# Altium PCB pcb.PcbDoc
Units mm, origin at the board's own origin, x right, y up, seen from the top; angles counter-clockwise.
Board outline 97.12 x 80.88 mm, 2 copper layers (Top Layer, Bottom Layer), stack 1.671 mm thick; 24 components, 190 nets, 454 pads, 83 vias.
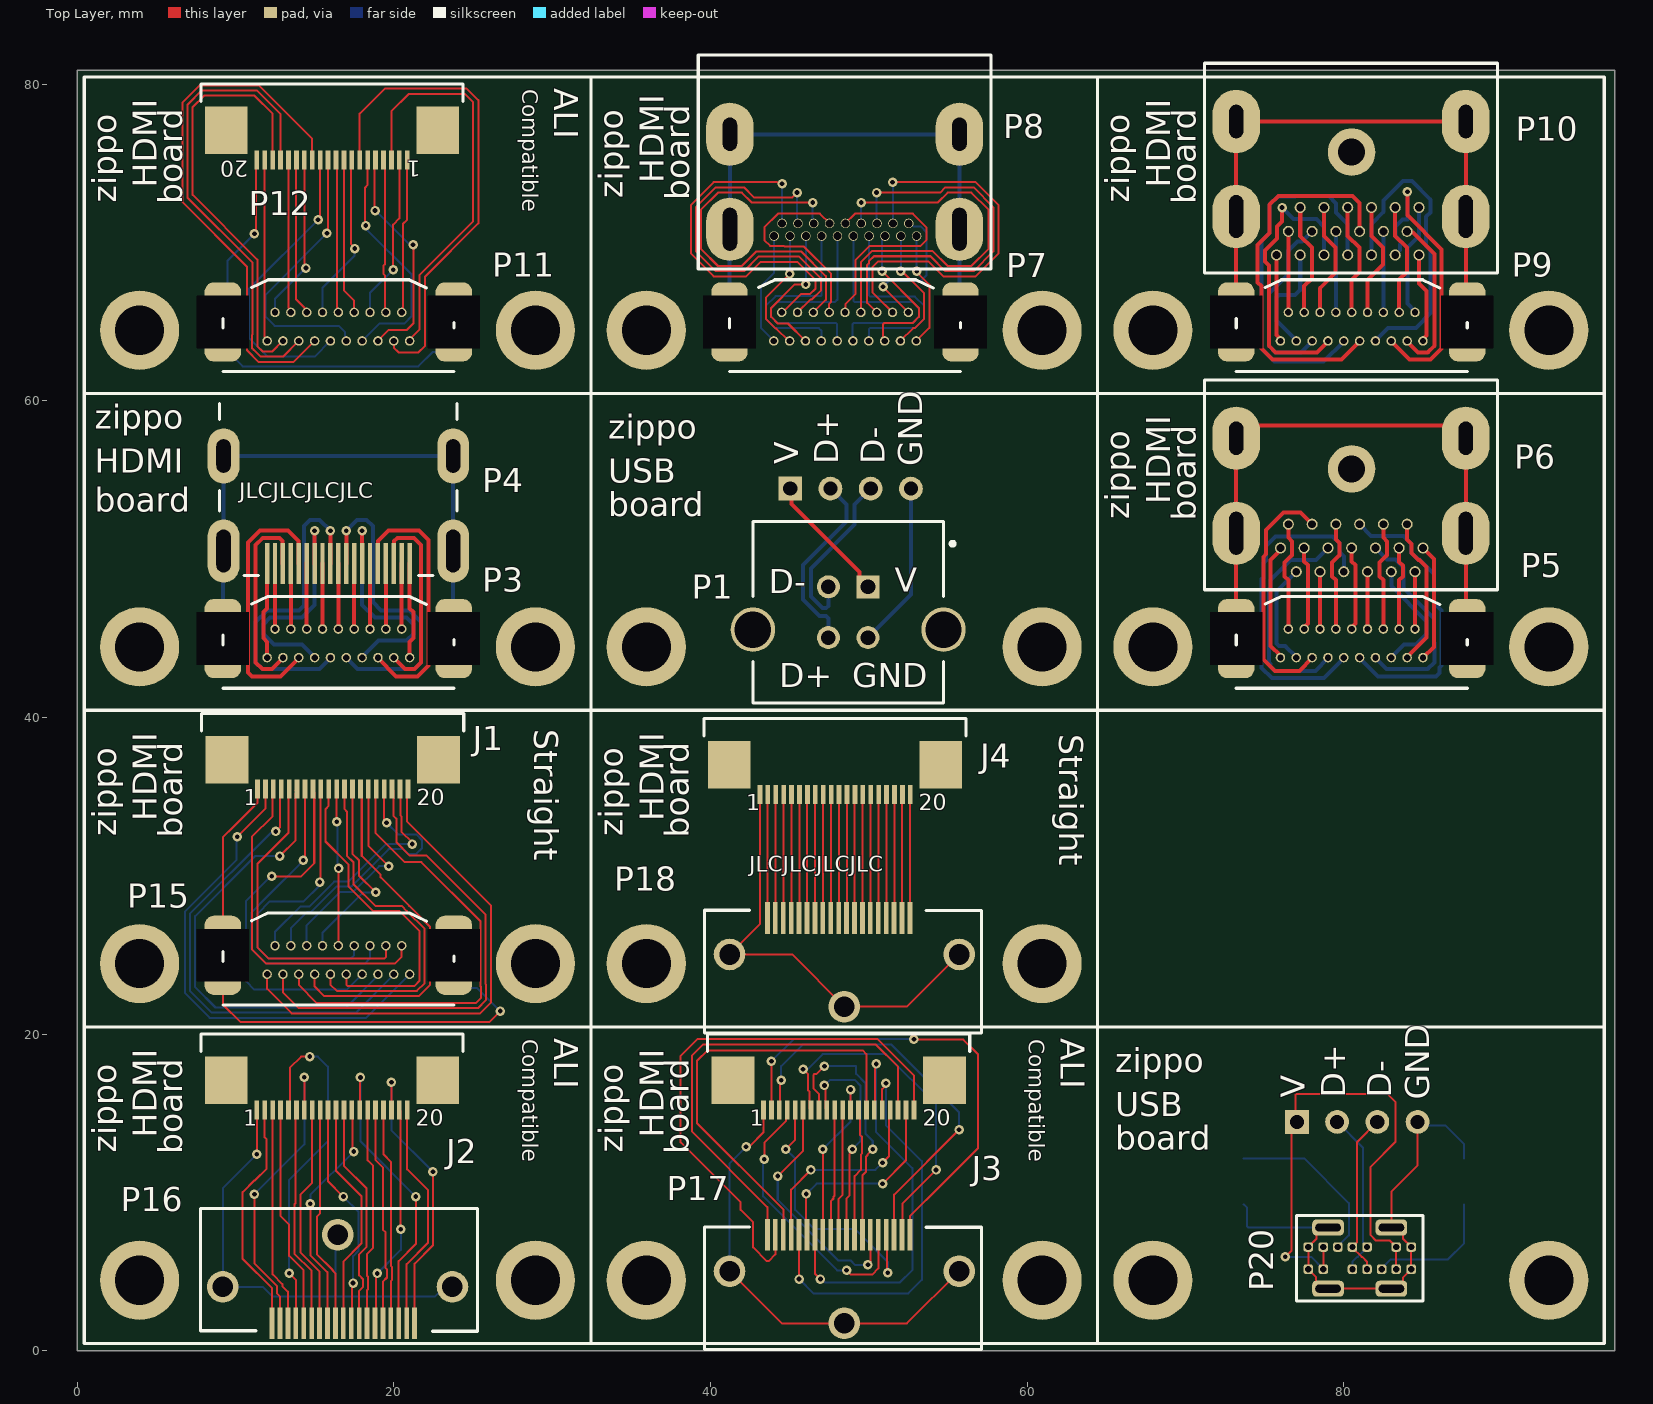
[diagram p0: Top Layer view]
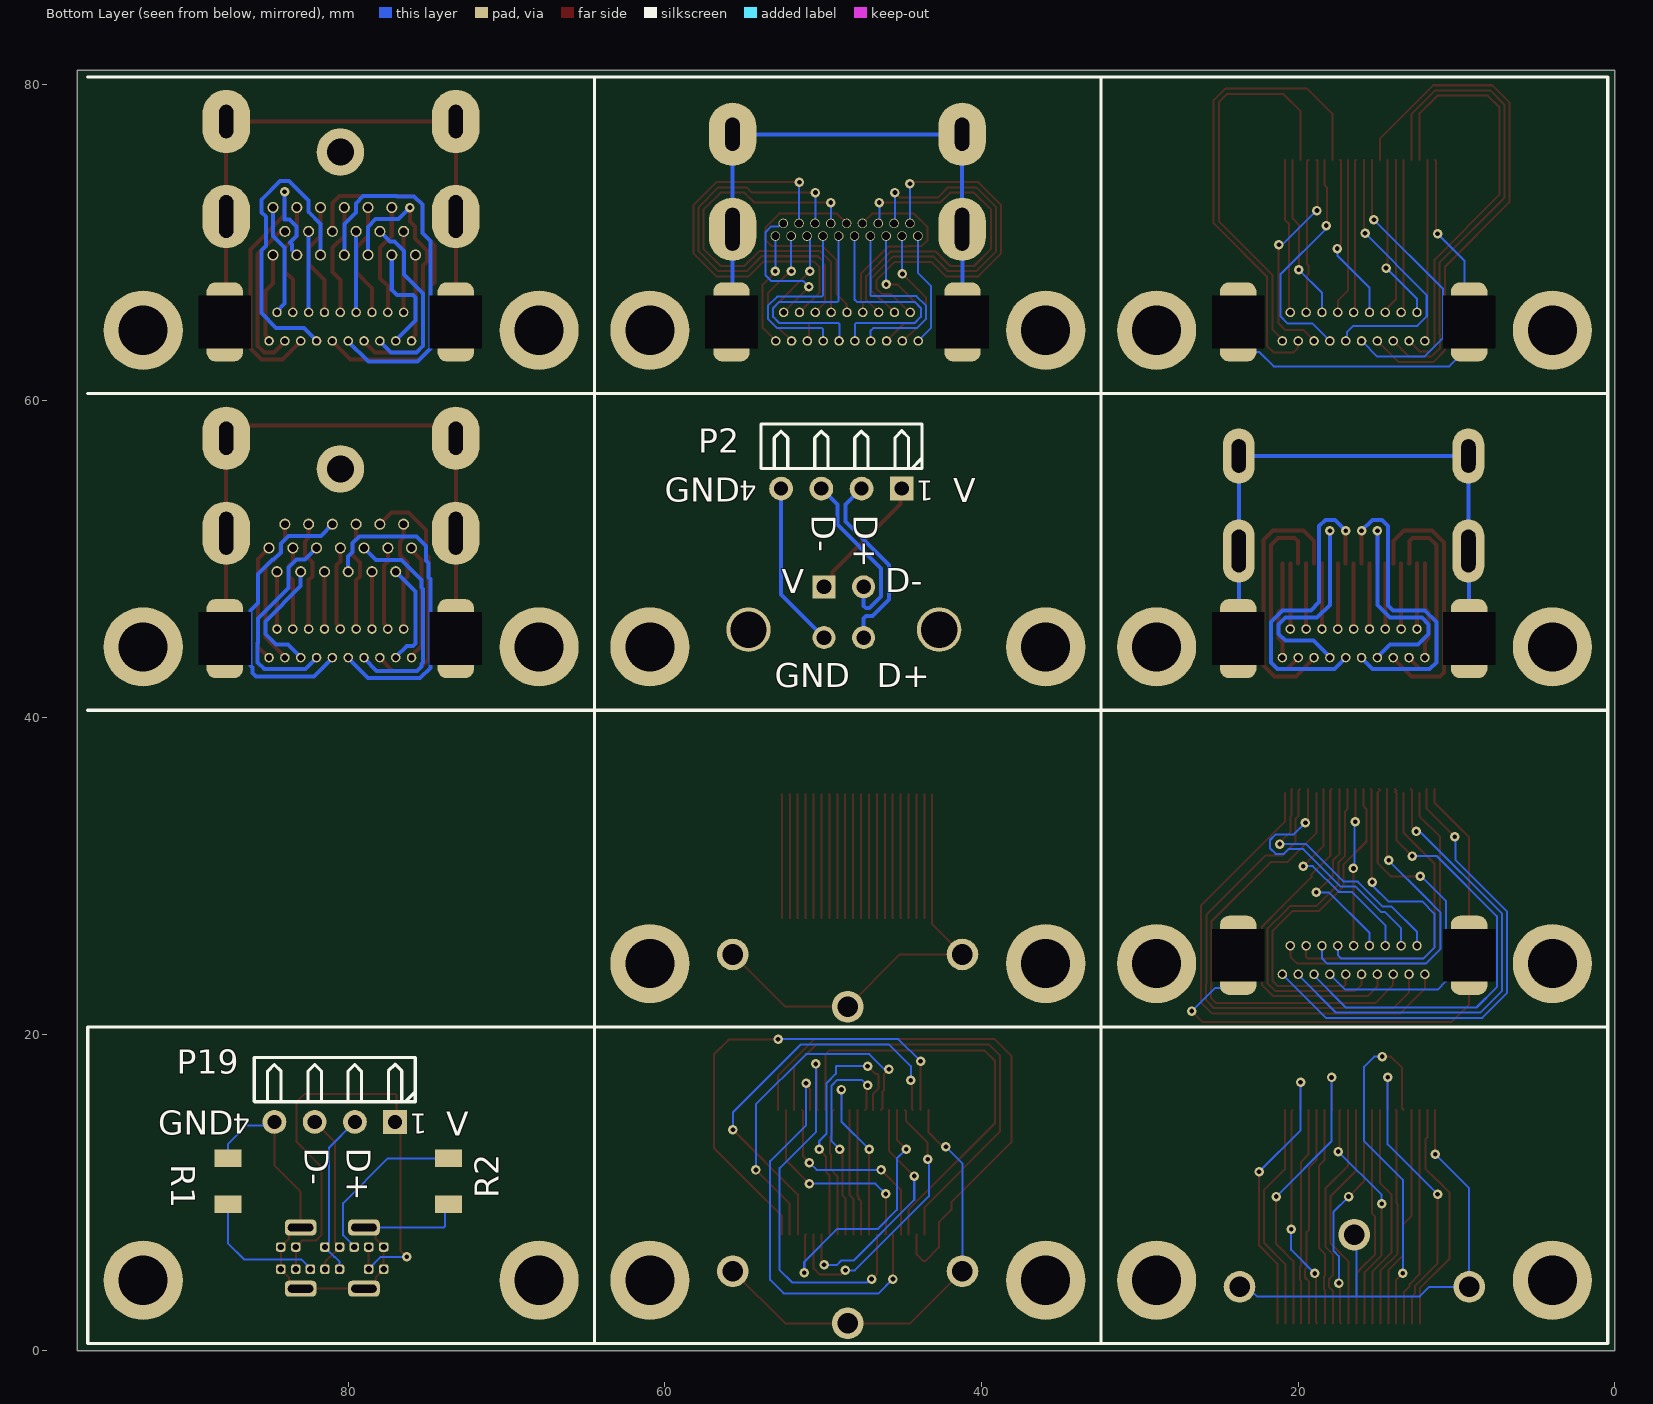
[diagram p1: Bottom Layer view, seen from below]

## Layer stack, top to bottom
Top Solder: solder mask 0.0102, Solder Resist, Dk 3.5
Top Layer: signal copper 0.0356
Dielectric 1: dielectric 1.6, FR-4, Dk 4.8
Bottom Layer: signal copper 0.0356
Bottom Solder: solder mask 0.0102, Solder Resist, Dk 3.5

## Board outline
0,0 0,80.875 97.124,80.875 97.124,0.05 97.124,0

## Design rules (kind name [scope] priority, off if disabled: settings)
Clearance [All] p1: gap=0.254 ignorepadtopadclearanceinfootprint=FALSE except(0: Arc-Hole Track-Hole SMDPad-Hole THPad-Hole Via-Hole Fill-Hole Poly-Hole Region-Hole Text-Hole; 0.2: Arc-Arc Arc-Track Arc-SMDPad Track-Track Track-SMDPad SMDPad-SMDPad)
DiffPairsRouting [All] p1: maxlimit=0.254 minlimit=0.127 mostfreqgap=0.254 toplayer_minwidth=0.254 toplayer_maxwidth=0.381 toplayer_prefwidth=0.381 bottomlayer_minwidth=0.254 bottomlayer_maxwidth=0.381 bottomlayer_prefwidth=0.381 maxuncoupledlength=12.7
HoleSize [All] p1: absolutevalues=TRUE maxlimit=4 minlimit=0.025 maxpercent=80.000 minpercent=20.000
MinimumSolderMaskSliver [All] p1: minsoldermaskwidth=0.2
PolygonConnect [All] p1: connectstyle=Relief reliefconductorwidth=0.254 reliefentries=4 polygonreliefangle="90 Angle" airgapwidth=0.254
RoomDefinition scheme [InComponentClass('scheme')] p1: confinementstyle=ConfineIn formatcopy=TRUE lockcomponents=FALSE outline -198.3,-191.725 594.053,-191.725 594.053,454.578 -198.3,454.578
RoutingVias [All] p1: holewidth=0.3 width=0.6 viastyle="Through Hole" minholewidth=0.3 minwidth=0.6 maxholewidth=0.3 maxwidth=0.6
SolderMaskExpansion [All] p1: expansion=0.102 istentingtop=FALSE
Width [All] p1: maxlimit=0.254 minlimit=0.127 preferedwidth=0.254
27 further rules are at their usual default settings.

## Classes and differential pairs
differential pair D: +D_P -D_N

## Components (designator, comment, footprint, x,y, rotation, side; value= is the part's Value field where it differs from the comment)
J1 "68712014522" FFC_20pin_0.5mm 16.141,38.025 r0 top
J2 "68712014522" FFC_20pin_0.5mm 16.1,17.775 r0 top
J3 "68712014522" FFC_20pin_0.5mm 48.1,17.775 r0 top locked
J4 "68712014522" FFC_20pin_0.5mm 47.874,37.7 r0 top
P1 "USB-B_Vertical" USB-B_Vertical 48.701,46.643 r0 top
P2 "PLD 1X4H" "PLD 1X4H" 48.85,54.45 r0 bottom
P3 "HDMI_Vertical" "HDMI VERTICAL" 12,43.775 r180 top
P4 "HDMI_Horizontal" "HDMI HORIZONTAL" 16.5,55.036 r0 top
P5 "HDMI_Vertical" "HDMI VERTICAL" 76.001,43.775 r180 top
P6 "HDMI_Horizontal_3_Lines_TH" "HDMI HORIZONTAL 3 LINES TH" 76.001,50.7 r180 top
P7 "HDMI_Vertical" "HDMI VERTICAL" 44,63.775 r180 top locked
P8 "HDMI_Horizontal_2_Lines_TH" "HDMI HORIZONTAL 2 LINES TH" 44.024,70.397 r180 top locked
P9 "HDMI_Vertical" "HDMI VERTICAL" 76.001,63.775 r180 top
P10 "HDMI_Horizontal_3_Lines_TH_ALI" "HDMI HORIZONTAL 3 LINES TH ALI" 76.001,70.7 r180 top
P11 "HDMI_Vertical" "HDMI VERTICAL" 12,63.775 r180 top
P12 "68712014522" 68712014522 16.1,77.775 r180 top
P15 "HDMI_Vertical" "HDMI Vertical" 12,23.775 r180 top
P16 "HDMI_Vertical_SMT_MOLEX" "HDMI VERTICAL SMT" 16.456,4.529 r180 top
P17 "HDMI_Vertical_SMT_MOLEX" "HDMI VERTICAL SMT" 48.457,4.529 r0 top locked
P18 "HDMI_Vertical_SMT_MOLEX" "HDMI VERTICAL SMT" 48.457,24.529 r0 top locked
P19 "PLD 1X4H" "PLD 1X4H" 80.85,14.45 r0 bottom
P20 "USB-C-Vertical" USB-C 81.009,5.85 r180 top
R1 "5K" 1206 87.599,10.7 r270 bottom
R2 "5K" 1206 73.674,10.7 r90 bottom

## Footprints (in the part's own frame and the unit in brackets; to place one, negate y for a bottom-side part, rotate by r counter-clockwise, add the part's x,y. Pads: shape width x height; smd on the part's side, far side on the other; paste and mask are expansions set on the pad)
1206 [mm]
  rect 1.1x1.7 smd: 1(-1.45,0) 2(1.45,0)
  body extent -1.65,-0.85 1.65,0.85, height 0.6
68712014522 [mm] "ZIF Connectors, Horizontal, Bottom Contact, pitch 0.5mm, 20p"
  rect 0.3x1.2 smd: 1(-4.75,2.56) 2(-4.25,2.56) 3(-3.75,2.56) 4(-3.25,2.56) 5(-2.75,2.56) 6(-2.25,2.56) 7(-1.75,2.56) 8(-1.25,2.56) 9(-0.75,2.56) 10(-0.25,2.56) 11(0.25,2.56) 12(0.75,2.56) 13(1.25,2.56) 14(1.75,2.56) 15(2.25,2.56) 16(2.75,2.56) 17(3.25,2.56) 18(3.75,2.56) 19(4.25,2.56) 20(4.75,2.56)
  rect 2.7x3 smd: MP1(-6.68,0.7) MP2(6.68,0.7)
  silkscreen extent -8.27,-2.22 8.28,-1.12, body extent -8.2,-2.15 8.2,2.95, height 2.1
FFC_20pin_0.5mm [mm] "ZIF Connectors, Horizontal, Bottom Contact, pitch 0.5mm, 20p"
  rect 0.3x1.2 smd: 1(-4.75,-2.56) 2(-4.25,-2.56) 3(-3.75,-2.56) 4(-3.25,-2.56) 5(-2.75,-2.56) 6(-2.25,-2.56) 7(-1.75,-2.56) 8(-1.25,-2.56) 9(-0.75,-2.56) 10(-0.25,-2.56) 11(0.25,-2.56) 12(0.75,-2.56) 13(1.25,-2.56) 14(1.75,-2.56) 15(2.25,-2.56) 16(2.75,-2.56) 17(3.25,-2.56) 18(3.75,-2.56) 19(4.25,-2.56) 20(4.75,-2.56)
  rect 2.7x3 smd: MP1(6.68,-0.7) MP2(-6.68,-0.7)
  silkscreen extent -8.28,1.12 8.27,2.22, body extent -8.2,-2.95 8.2,2.15, height 2.1
"HDMI HORIZONTAL" [mm] "HDMI SMT Horizontal"
  rect 0.28x2.6 smd: 1(-4.5,-5.325) 2(-4,-5.325) 3(-3.5,-5.325) 4(-3,-5.325) 5(-2.5,-5.325) 6(-2,-5.325) 7(-1.5,-5.325) 8(-1,-5.325) 9(-0.5,-5.325) 10(0,-5.325) 11(0.5,-5.325) 12(1,-5.325) 13(1.5,-5.325) 14(2,-5.325) 15(2.5,-5.325) 16(3,-5.325) 17(3.5,-5.325) 18(4,-5.325) 19(4.5,-5.325)
  oval 2x4 hole 0.9 slot 2.7 at 90 deg: Shell(-7.25,-4.525) Shell(7.25,-4.525)
  oval 2x3.5 hole 0.9 slot 2.1 at 90 deg: Shell(-7.25,1.475) Shell(7.25,1.475)
  silkscreen extent -7.5,-6.07 7.5,4.78, body extent -7.45,-6.08 7.55,6.07, height 6.17
"HDMI HORIZONTAL 2 LINES TH" [mm]
  round 0.6 hole 0.5: 1(0,0) 2(-0.5,-0.803) 3(-1,0) 4(-1.5,-0.803) 5(-2,0) 6(-2.5,-0.803) 7(-3,0) 8(-3.5,-0.803) 9(-4,0) 10(-4.5,-0.803) 11(-5,0) 12(-5.5,-0.803) 13(-6,0) 14(-6.5,-0.803) 15(-7,0) 16(-7.5,-0.803) 17(-8,0) 18(-8.5,-0.803) 19(-9,0)
  oval 3x4 hole 0.9 slot 2.7 at 90 deg: Shell(-11.706,-0.432) Shell(2.794,-0.432)
  oval 3x4 hole 0.9 slot 2.1 at 90 deg: Shell(-11.706,-6.432) Shell(2.794,-6.432)
  silkscreen extent -13.71,-11.43 4.79,2.07, body extent -12.01,-11 2.99,1.05, height 6.18
"HDMI HORIZONTAL 3 LINES TH" [mm]
  round 0.7 hole 0.5: 1(0,0) 2(-0.5,-1.5) 3(-1,1.5) 4(-1.5,0) 5(-2,-1.5) 6(-2.5,1.5) 7(-3,0) 8(-3.5,-1.5) 9(-4,1.5) 10(-4.5,0) 11(-5,-1.5) 12(-5.5,1.5) 13(-6,0) 14(-6.5,-1.5) 15(-7,1.5) 16(-7.5,0) 17(-8,-1.5) 18(-8.5,1.5) 19(-9,0)
  oval 3x4 hole 0.9 slot 2.7 at 90 deg: Shell(-11.706,-0.932) Shell(2.794,-0.932)
  oval 3x4 hole 0.9 slot 2.1 at 90 deg: Shell(-11.706,-6.932) Shell(2.794,-6.932)
  round 3 hole 1.7: ""(-4.5,-5)
  silkscreen extent -13.71,-10.62 4.79,2.64, body extent -11.97,-10.41 3.03,2.49, height 5.77
"HDMI HORIZONTAL 3 LINES TH ALI" [mm]
  round 0.7 hole 0.5: 1(0.25,1.5) 2(-0.5,0) 3(-1.25,1.5) 4(-1.25,-1.5) 5(-2,0) 6(-2.75,-1.5) 7(-2.75,1.5) 8(-3.5,0) 9(-4.25,1.5) 10(-4.25,-1.5) 11(-5,0) 12(-5.75,-1.5) 13(-5.75,1.5) 14(-6.5,0) 15(-7.25,1.5) 16(-7.25,-1.5) 17(-8,0) 18(-8.75,-1.5) 19(-8.75,1.5)
  oval 3x4 hole 0.9 slot 2.7 at 90 deg: Shell(-11.706,-0.932) Shell(2.794,-0.932)
  oval 3x4 hole 0.9 slot 2.1 at 90 deg: Shell(-11.706,-6.932) Shell(2.794,-6.932)
  round 3 hole 1.7: ""(-4.5,-5)
  silkscreen extent -13.71,-10.62 4.79,2.64, body extent -11.97,-10.41 3.03,2.49, height 5.77
"HDMI VERTICAL" [mm]
  round 0.6 hole 0.4: 1(0,0) 2(-0.5,-1.803) 3(-1,0) 4(-1.5,-1.803) 5(-2,0) 6(-2.5,-1.803) 7(-3,0) 8(-3.5,-1.803) 9(-4,0) 10(-4.5,-1.803) 11(-5,0) 12(-5.5,-1.803) 13(-6,0) 14(-6.5,-1.803) 15(-7,0) 16(-7.5,-1.803) 17(-8,0) 18(-8.5,-1.803) 19(-9,0)
  rrect50% 2.3x5 hole 3.3 square: Shell(-11.794,-1.2) Shell(2.794,-1.2)
  silkscreen extent -11.79,-3.86 2.79,1.94, body extent -12.01,-3.73 2.99,1.82, height 12
"HDMI Vertical" [mm]
  round 0.6 hole 0.4: 1(0,0) 2(-0.5,-1.803) 3(-1,0) 4(-1.5,-1.803) 5(-2,0) 6(-2.5,-1.803) 7(-3,0) 8(-3.5,-1.803) 9(-4,0) 10(-4.5,-1.803) 11(-5,0) 12(-5.5,-1.803) 13(-6,0) 14(-6.5,-1.803) 15(-7,0) 16(-7.5,-1.803) 17(-8,0) 18(-8.5,-1.803) 19(-9,0)
  rrect50% 2.3x5 hole 3.3 square: Shell(-11.794,-1.2) Shell(2.794,-1.2)
  silkscreen extent -11.79,-3.86 2.79,1.94, body extent -12.01,-3.73 2.99,1.82, height 12
"HDMI VERTICAL SMT" [mm] "HDMI SMT Vertical"
  rect 0.3x2 smd: 1(4.144,2.802) 2(3.644,2.802) 3(3.144,2.802) 4(2.644,2.802) 5(2.144,2.802) 6(1.644,2.802) 7(1.144,2.802) 8(0.644,2.802) 9(0.144,2.802) 10(-0.356,2.802) 11(-0.856,2.802) 12(-1.356,2.802) 13(-1.856,2.802) 14(-2.356,2.802) 15(-2.856,2.802) 16(-3.356,2.802) 17(-3.856,2.802) 18(-4.356,2.802) 19(-4.856,2.802)
  round 2 hole 1.3: Shell(-7.25,0.498) Shell(0,-2.802) Shell(7.25,0.498)
  silkscreen extent -8.84,-4.45 8.66,3.29, body extent -8.83,-3.56 8.67,3.29, height 9.5
"PLD 1X4H" [mm] "Connector; Header; 4x2 Position; Right Angle"
  rect 1.5x1.5 hole 0.9: 1(-3.81,0)
  round 1.5 hole 0.9: 2(-1.27,0) 3(1.27,0) 4(3.81,0)
  silkscreen extent -5.09,-4.08 5.09,-1.27, body extent -5.08,-10.04 5.08,0.32, height 2.54
USB-B_Vertical [mm] "THD, 4-Leads, Body 12.03x11.46mm, Pitch 2.5mm"
  rect 1.45x1.45 hole 0.92: 1(1.25,1.605)
  round 1.45 hole 0.92: 2(-1.25,1.605) 3(-1.25,-1.605) 4(1.25,-1.605)
  round 2.8 hole 2.3: 5(6.02,-1.1) 6(-6.02,-1.1)
  silkscreen extent -6.01,-5.73 6.73,5.73, body extent -7.57,-5.73 7.57,5.73, height 15.62
USB-C [mm] "KLS1-5459"
  rrect50% 0.6x0.6 hole 0.4: A1(-3.25,0.7) A4(-2.3,0.7) A5(-1.38,0.7) A6(-0.46,0.7) A7(0.46,0.7) A9(2.3,0.7) A12(3.25,0.7) B1(3.25,-0.7) B4(2.3,-0.7) B5(1.38,-0.7) B6(0.46,-0.7) B7(-0.46,-0.7) B9(-2.3,-0.7) B12(-3.25,-0.7)
  rrect50% 2x1 hole 0.5 slot 1.6 at 0 deg: Shield(-2,1.93) Shield(-2,-1.93) Shield(2,1.93) Shield(2,-1.93)
  silkscreen extent -4,-2.7 4,2.7

## Part data
J1 J2 J3 J4: library part "FFC 20 pin", "SMT ZIF Connectors WR-FPC, Horizontal, Bottom Contact, pitch 0.5 mm, 20 pins", Contact Resistance=20mOhm, Manufacturer="Wurth Elektronik", Operating Temperature=-25to85degC, Rated Current=0.5A, Withstanding Voltage=250VAC, Working Voltage=50VAC, Contact Design=BottomContact, Datasheet URL=https://katalog.we-online.de/em/datasheet/68712014522.pdf, Manufacturer URL=http://www.we-online.de, Mounting Technology=SMT, Orientation=Horizontal, Package Reference=68712014522, Packaging=TapeandReel, Part Number=68712014522, Pin Number=20, Pitch=0.5mm, Publisher=WurthElektronik
P2 P19: "Header, 4-Pin, SIngle row, Right Angle"
P12: library part CMP-1502-01535-1, "SMT ZIF Connectors WR-FPC, Horizontal, Bottom Contact, pitch 0.5 mm, 20 pins", Contact Resistance=20mOhm, Manufacturer="Wurth Elektronik", Operating Temperature=-25to85degC, Rated Current=0.5A, Withstanding Voltage=250VAC, Working Voltage=50VAC, Contact Design=BottomContact, Datasheet URL=https://katalog.we-online.de/em/datasheet/68712014522.pdf, Manufacturer URL=http://www.we-online.de, Mounting Technology=SMT, Orientation=Horizontal, Package Reference=68712014522, Packaging=TapeandReel, Part Number=68712014522, Pin Number=20, Pitch=0.5mm, Publisher=WurthElektronik
R1 R2: library part Resistor, "Resistor 1206"

## Free pads (board coordinates)
  round 5 hole 3.1: 2(3.95,4.45) 2(3.95,24.45) 2(3.95,44.45) 2(3.95,64.45) 2(35.95,4.45) 2(35.95,44.45) 2(35.95,64.45) 2(35.951,24.45) 2(67.951,4.45) 2(67.951,44.45) 2(67.951,64.45) 3(28.95,4.45) 3(28.95,24.45) 3(28.95,44.45) 3(28.95,64.45) 3(60.951,4.45) 3(60.951,24.45) 3(60.951,44.45) 3(60.951,64.45) 3(92.951,4.45) 3(92.951,44.45) 3(92.951,64.45)

## Via types
v1: diameter 0.6, hole 0.3, Top Layer to Bottom Layer, tented both sides, 82 vias
v2: diameter 0.6, hole 0.3, Top Layer to Bottom Layer, 1 vias

## Nets (pads, with @x,y where several pads share a name; then routed paths per layer and width w, separated by ;. In a path a pad name is that pad's centre, name@x,y a point inside that pad or via, vN(x,y) a via of type N, cw(c..) or ccw(c..) an arc to the next point about the centre after c; other vN are vias at no path point)
D_N: 
D_P: 
NetJ1_1: 
NetJ1_2: 
NetJ1_3: 
NetJ1_4: 
NetJ1_5: 
NetJ1_6: 
NetJ1_7: 
NetJ1_8: 
NetJ1_9: 
NetJ1_10: 
NetJ1_11: 
NetJ1_12: 
NetJ1_13: 
NetJ1_14: 
NetJ1_15: 
NetJ1_16: 
NetJ1_17: 
NetJ1_18: 
NetJ1_19: 
NetJ1_20: 
NetJ2_1: 
NetJ2_2: 
NetJ2_3: 
NetJ2_4: 
NetJ2_5: 
NetJ2_6: 
NetJ2_7: 
NetJ2_8: 
NetJ2_9: 
NetJ2_10: 
NetJ2_11: 
NetJ2_12: 
NetJ2_13: 
NetJ2_14: 
NetJ2_15: 
NetJ2_16: 
NetJ2_17: 
NetJ2_18: 
NetJ2_19: 
NetJ2_20: 
NetJ3_1: 
NetJ3_2: 
NetJ3_3: 
NetJ3_4: 
NetJ3_5: 
NetJ3_6: 
NetJ3_7: 
NetJ3_8: 
NetJ3_9: 
NetJ3_10: 
NetJ3_11: 
NetJ3_12: 
NetJ3_13: 
NetJ3_14: 
NetJ3_15: 
NetJ3_16: 
NetJ3_17: 
NetJ3_18: 
NetJ3_19: 
NetJ3_20: 
NetJ4_1: 
NetJ4_2: 
NetJ4_3: 
NetJ4_4: 
NetJ4_5: 
NetJ4_6: 
NetJ4_7: 
NetJ4_8: 
NetJ4_9: 
NetJ4_10: 
NetJ4_11: 
NetJ4_12: 
NetJ4_13: 
NetJ4_14: 
NetJ4_15: 
NetJ4_16: 
NetJ4_17: 
NetJ4_18: 
NetJ4_19: 
NetJ4_20: 
NetP1_4: 
NetP3_1: 
NetP3_2: 
NetP3_3: 
NetP3_4: 
NetP3_5: 
NetP3_6: 
NetP3_7: 
NetP3_8: 
NetP3_9: 
NetP3_10: 
NetP3_11: 
NetP3_12: 
NetP3_13: 
NetP3_14: 
NetP3_15: 
NetP3_16: 
NetP3_17: 
NetP3_18: 
NetP3_19: 
NetP3_Shell: 
NetP5_1: 
NetP5_2: 
NetP5_3: 
NetP5_4: 
NetP5_5: 
NetP5_6: 
NetP5_7: 
NetP5_8: 
NetP5_9: 
NetP5_10: 
NetP5_11: 
NetP5_12: 
NetP5_13: 
NetP5_14: 
NetP5_15: 
NetP5_16: 
NetP5_17: 
NetP5_18: 
NetP5_19: 
NetP5_Shell: 
NetP7_1: 
NetP7_2: 
NetP7_3: 
NetP7_4: 
NetP7_5: 
NetP7_6: 
NetP7_7: 
NetP7_8: 
NetP7_9: 
NetP7_10: 
NetP7_11: 
NetP7_12: 
NetP7_13: 
NetP7_14: 
NetP7_15: 
NetP7_16: 
NetP7_17: 
NetP7_18: 
NetP7_19: 
NetP7_Shell: 
NetP9_1: 
NetP9_2: 
NetP9_3: 
NetP9_4: 
NetP9_5: 
NetP9_6: 
NetP9_7: 
NetP9_8: 
NetP9_9: 
NetP9_10: 
NetP9_11: 
NetP9_12: 
NetP9_13: 
NetP9_14: 
NetP9_15: 
NetP9_16: 
NetP9_17: 
NetP9_18: 
NetP9_19: 
NetP9_Shell: 
NetP11_1: 
NetP11_2: 
NetP11_3: 
NetP11_4: 
NetP11_5: 
NetP11_6: 
NetP11_7: 
NetP11_8: 
NetP11_9: 
NetP11_10: 
NetP11_11: 
NetP11_12: 
NetP11_13: 
NetP11_14: 
NetP11_15: 
NetP11_16: 
NetP11_17: 
NetP11_18: 
NetP11_19: 
NetP11_Shell: 
NetP19_1: 
NetP19_2: 
NetP19_3: 
NetP19_4: 
NetP20_A5: 
NetP20_B5: 
Vbus: 
pads on no net: J1.1 J1.2 J1.3 J1.4 J1.5 J1.6 J1.7 J1.8 J1.9 J1.10 J1.11 J1.12 J1.13 J1.14 J1.15 J1.16 J1.17 J1.18 J1.19 J1.20 J1.MP1 J1.MP2 J2.1 J2.2 J2.3 J2.4 J2.5 J2.6 J2.7 J2.8 J2.9 J2.10 J2.11 J2.12 J2.13 J2.14 J2.15 J2.16 J2.17 J2.18 J2.19 J2.20 J2.MP1 J2.MP2 J3.1 J3.2 J3.3 J3.4 J3.5 J3.6 J3.7 J3.8 J3.9 J3.10 J3.11 J3.12 J3.13 J3.14 J3.15 J3.16 J3.17 J3.18 J3.19 J3.20 J3.MP1 J3.MP2 J4.1 J4.2 J4.3 J4.4 J4.5 J4.6 J4.7 J4.8 J4.9 J4.10 J4.11 J4.12 J4.13 J4.14 J4.15 J4.16 J4.17 J4.18 J4.19 J4.20 J4.MP1 J4.MP2 P1.1 P1.2 P1.3 P1.4 P1.5 P1.6 P2.1 P2.2 P2.3 P2.4 P3.1 P3.2 P3.3 P3.4 P3.5 P3.6 P3.7 P3.8 P3.9 P3.10 P3.11 P3.12 P3.13 P3.14 P3.15 P3.16 P3.17 P3.18 P3.19 P3.Shell P4.1 P4.2 P4.3 P4.4 P4.5 P4.6 P4.7 P4.8 P4.9 P4.10 P4.11 P4.12 P4.13 P4.14 P4.15 P4.16 P4.17 P4.18 P4.19 P4.Shell P5.1 P5.2 P5.3 P5.4 P5.5 P5.6 P5.7 P5.8 P5.9 P5.10 P5.11 P5.12 P5.13 P5.14 P5.15 P5.16 P5.17 P5.18 P5.19 P5.Shell P6. P6.1 P6.2 P6.3 P6.4 P6.5 P6.6 P6.7 P6.8 P6.9 P6.10 P6.11 P6.12 P6.13 P6.14 P6.15 P6.16 P6.17 P6.18 P6.19 P6.Shell P7.1 P7.2 P7.3 P7.4 P7.5 P7.6 P7.7 P7.8 P7.9 P7.10 P7.11 P7.12 P7.13 P7.14 P7.15 P7.16 P7.17 P7.18 P7.19 P7.Shell P8.1 P8.2 P8.3 P8.4 P8.5 P8.6 P8.7 P8.8 P8.9 P8.10 P8.11 P8.12 P8.13 P8.14 P8.15 P8.16 P8.17 P8.18 P8.19 P8.Shell P9.1 P9.2 P9.3 P9.4 P9.5 P9.6 P9.7 P9.8 P9.9 P9.10 P9.11 P9.12 P9.13 P9.14 P9.15 P9.16 P9.17 P9.18 P9.19 P9.Shell P10. P10.1 P10.2 P10.3 P10.4 P10.5 P10.6 P10.7 P10.8 P10.9 P10.10 P10.11 P10.12 P10.13 P10.14 P10.15 P10.16 P10.17 P10.18 P10.19 P10.Shell P11.1 P11.2 P11.3 P11.4 P11.5 P11.6 P11.7 P11.8 P11.9 P11.10 P11.11 P11.12 P11.13 P11.14 P11.15 P11.16 P11.17 P11.18 P11.19 P11.Shell P12.1 P12.2 P12.3 P12.4 P12.5 P12.6 P12.7 P12.8 P12.9 P12.10 P12.11 P12.12 P12.13 P12.14 P12.15 P12.16 P12.17 P12.18 P12.19 P12.20 P12.MP1 P12.MP2 P15.1 P15.2 P15.3 P15.4 P15.5 P15.6 P15.7 P15.8 P15.9 P15.10 P15.11 P15.12 P15.13 P15.14 P15.15 P15.16 P15.17 P15.18 P15.19 P15.Shell P16.1 P16.2 P16.3 P16.4 P16.5 P16.6 P16.7 P16.8 P16.9 P16.10 P16.11 P16.12 P16.13 P16.14 P16.15 P16.16 P16.17 P16.18 P16.19 P16.Shell P17.1 P17.2 P17.3 P17.4 P17.5 P17.6 P17.7 P17.8 P17.9 P17.10 P17.11 P17.12 P17.13 P17.14 P17.15 P17.16 P17.17 P17.18 P17.19 P17.Shell P18.1 P18.2 P18.3 P18.4 P18.5 P18.6 P18.7 P18.8 P18.9 P18.10 P18.11 P18.12 P18.13 P18.14 P18.15 P18.16 P18.17 P18.18 P18.19 P18.Shell P19.1 P19.2 P19.3 P19.4 P20.A1 P20.A4 P20.A5 P20.A6 P20.A7 P20.A9 P20.A12 P20.B1 P20.B4 P20.B5 P20.B6 P20.B7 P20.B9 P20.B12 P20.Shield R1.1 R1.2 R2.1 R2.2
copper on no net: | length 2849.1
  Top Layer w0.127: v1(10.115,32.461) 10.115,32.462 11.891,34.238 11.891,35.465 ; v1(11.2,9.878) 11.2,5.511 12.639,4.072 12.639,3.61 12.812,3.437 12.812,1.727 ; v1(11.203,70.548) 11.203,70.676 11.313,70.786 11.313,75.178 11.35,75.215 ; v1(11.35,12.404) 11.35,15.215 ; 11.391,35.465 11.391,34.61 9.859,33.078 9.206,32.425 9.206,24.975 9.206,21.868 10.324,20.75 26.018,20.75 v1(26.718,21.45) ; 11.85,15.215 11.85,13.472 11.967,13.355 11.967,11.488 11.232,10.752 11.2,10.752 10.458,10.01 10.458,5.791 12.312,3.937 12.312,1.727 ; 11.85,75.215 11.833,75.198 11.833,64.07 12,63.903 12,63.775 ; 12,23.775 12,22.853 13.548,21.305 25.454,21.305 26.149,22 26.149,23.267 26.133,23.283 26.133,28.128 20.85,33.411 20.85,35.215 ; v1(12.288,29.961) 14.148,29.961 14.978,30.791 14.978,35.26 14.832,35.406 14.891,35.465 ; 12.35,15.215 12.35,4.824 12.966,4.208 12.966,4.083 13.312,3.737 13.312,1.727 ; 12.35,35.215 12.35,33.767 11.033,32.451 11.033,25.366 11.95,24.45 20.062,24.45 20.5,24.888 20.5,25.578 ; 12.35,75.215 12.35,78.125 11.204,79.271 8.02,79.271 7.299,78.55 7.299,73.007 11.389,68.917 11.389,64.037 11.383,64.031 11.383,63.519 11.389,63.513 11.389,63.442 11.724,63.107 12.333,63.107 13,63.775 ; v1(12.548,32.797) 12.805,33.054 12.805,35.378 12.817,35.391 12.891,35.465 ; v1(12.805,31.245) 13.805,32.245 13.805,35.205 13.891,35.292 13.805,35.378 13.891,35.465 ; 12.85,15.215 12.85,8.5 13.397,7.953 13.397,5.99 14.312,5.075 14.312,1.727 ; 12.85,75.215 12.85,78.087 11.339,79.598 7.885,79.598 6.972,78.685 6.972,72.831 11.062,68.741 11.062,64.173 11.056,64.166 11.056,63.313 11.15,63.219 11.588,62.78 13.006,62.78 14,63.775 ; 13,23.775 13,22.643 14.011,21.632 25.318,21.632 25.822,22.135 25.822,23.132 25.806,23.148 25.806,27.545 22.081,31.27 21.016,31.27 20.159,32.128 20.159,33.606 19.978,33.787 19.978,35.378 19.891,35.465 ; 13.35,15.215 13.436,15.301 13.436,17.861 14.15,18.575 v1(14.7,18.575) ; 13.35,35.215 13.35,32.726 11.398,30.774 11.398,25.464 12.085,24.777 19.425,24.777 19.5,24.851 19.5,25.578 ; 13.35,75.215 13.35,65.884 13.5,65.733 13.5,65.578 ; v1(13.397,4.892) 13.812,4.477 13.812,1.727 ; 13.85,15.215 13.788,15.153 13.788,9.314 13.724,9.25 13.724,6.125 14.812,5.037 14.812,1.727 ; 13.85,75.215 13.834,75.199 13.834,66.395 14.5,65.729 14.5,65.578 ; 14,23.775 14,23.102 15.143,21.959 25.183,21.959 25.495,22.271 25.495,22.996 25.479,23.012 25.479,27.12 21.746,30.853 20.688,30.853 18.849,32.693 18.849,35.214 18.85,35.215 ; v1(14.285,30.972) 14.391,31.078 14.391,35.465 ; 14.35,15.215 v1(14.35,17.275) ; 14.35,75.215 14.35,68.483 v1(14.452,68.382) ; v1(14.732,9.289) 14.732,6.042 15.812,4.962 15.812,1.727 ; 14.85,15.215 14.85,10.613 14.115,9.878 14.115,6.197 15.312,5 15.312,1.727 ; 14.85,75.215 14.85,76.55 11.475,79.925 7.75,79.925 6.645,78.821 6.645,72.555 10.729,68.471 10.729,63.178 11.453,62.453 13.679,62.453 15,63.775 ; 15,23.775 15,23.002 15.606,22.396 21.589,22.396 22.299,23.106 22.299,26.762 20.968,28.093 19.166,29.895 19.166,30.07 17.978,31.259 17.978,35.378 17.891,35.465 ; v1(15.222,71.431) 15.35,71.559 15.35,75.215 ; v1(15.329,29.601) 15.36,29.632 15.36,35.434 15.391,35.465 ; 15.35,15.215 15.35,8.677 15.139,8.466 15.139,6.098 16.139,5.098 16.139,5.065 16.312,4.892 16.312,1.727 ; v1(15.776,70.576) 15.776,70.483 15.833,70.426 15.839,70.432 15.839,75.204 15.85,75.215 ; 15.837,15.228 15.837,10.721 v1(16.82,9.738) ; 15.891,35.465 15.891,34.415 15.687,34.211 15.687,32.162 17.132,30.717 17.132,29.331 18.696,27.766 20.37,27.766 21.617,26.519 21.617,23.349 21.318,23.05 17.074,23.05 17,23.124 17,23.775 ; 16,23.775 16,23.124 16.401,22.723 21.453,22.723 21.944,23.214 21.944,26.654 20.833,27.766 20.506,28.093 18.832,28.093 17.459,29.466 17.459,30.853 17.041,31.27 17.041,34.057 16.891,34.207 16.891,35.465 ; 16.35,15.215 16.35,11.371 17.962,9.758 17.962,6.775 16.812,5.625 16.812,1.727 ; 16.35,75.215 16.405,75.16 16.405,65.801 16.5,65.706 16.5,65.578 ; v1(16.391,33.411) 16.391,35.465 ; 16.5,25.578 16.5,30.447 v1(16.514,30.462) ; 16.85,15.215 16.85,11.684 18.289,10.245 18.289,6.557 17.812,6.08 17.812,4.766 18.047,4.531 18.047,4.019 17.812,3.784 17.812,1.727 ; 16.85,75.215 16.85,66.966 17.5,66.316 17.5,65.578 ; 17.312,1.727 17.371,1.785 17.371,4.216 v1(17.429,4.275) ; 17.35,15.215 17.409,15.156 17.409,12.636 v1(17.467,12.577) ; 17.35,75.215 17.292,75.157 17.292,69.917 17.534,69.675 v1(17.534,69.606) ; 17.391,35.465 17.391,31.383 17.802,30.972 17.802,30.007 v1(18.86,28.949) ; 17.85,15.215 17.872,15.237 17.872,17.234 v1(17.894,17.256) ; 17.85,75.215 17.85,78.125 19.44,79.715 24.607,79.715 25.343,78.979 25.343,71.198 21.96,67.816 21.96,63.449 21.562,63.05 20.3,63.05 20,63.35 20,63.775 ; v1(18.237,71.063) 18.185,71.114 18.185,73.468 18.35,73.632 18.35,75.215 ; 18.312,1.727 18.312,3.822 18.374,3.884 18.374,4.666 18.312,4.728 18.312,6.117 18.616,6.421 18.7,6.505 18.7,11.671 18.35,12.021 18.35,15.215 ; 18.391,35.465 18.391,31.896 v1(19.682,30.605) ; 18.812,1.727 18.883,1.798 18.883,4.807 v1(18.954,4.878) ; v1(18.817,72.011) 18.791,72.037 18.791,75.156 18.85,75.215 ; 18.85,15.215 18.85,12.039 19.312,11.577 19.312,7.653 19.485,7.48 19.485,5.22 19.571,5.134 19.571,4.622 19.312,4.363 19.312,1.727 ; 19,63.775 19.695,64.47 20.835,64.47 21.248,64.883 21.248,69.664 21.241,69.671 v1@21.241,69.968 ; 19.35,15.215 19.35,12.396 19.812,11.933 19.812,5.356 19.898,5.269 19.898,4.487 19.812,4.4 19.812,1.727 ; 19.35,75.215 19.434,75.131 19.434,68.617 19.342,68.524 19.342,68.012 19.434,67.919 19.434,65.644 19.5,65.578 ; 19.391,35.465 19.391,33.5 v1(19.541,33.35) ; 19.85,15.215 v1(19.85,16.957) ; 19.85,75.215 19.85,78.275 20.963,79.388 24.471,79.388 25.016,78.844 25.016,71.334 21.633,67.951 21.633,64.521 21,63.888 21,63.775 ; v1(19.959,68.268) 19.959,71.127 20.35,71.518 20.35,75.215 ; 20.312,1.727 20.312,5.659 21.395,6.742 v1(21.395,9.738) ; 20.35,15.215 20.436,15.128 20.436,7.678 v1(20.443,7.672) ; 20.391,35.465 20.429,35.427 20.429,33.798 20.486,33.741 20.486,32.782 21.165,32.102 v1(21.165,32.001) ; 20.5,65.578 20.577,65.655 20.577,71.162 20.85,71.436 20.85,75.215 ; 20.812,1.727 20.812,5.467 22.149,6.804 22.149,10.153 20.85,11.452 20.85,15.215 ; 21.312,1.727 21.312,5.505 22.476,6.669 v1(22.476,11.302) ; 41.207,5.027 44.507,1.727 48.457,1.727 52.407,1.727 55.707,5.027 ; v1(42.249,12.875) 42.299,12.925 42.474,12.925 43.35,13.801 43.35,15.215 ; 43.124,35.14 43.124,26.944 41.207,25.027 45.157,25.027 48.457,21.727 52.407,21.727 55.707,25.027 ; v1(43.4,12.1) 43.4,13.142 44.763,14.506 44.763,15.128 44.85,15.215 ; 43.601,7.331 43.601,9.073 38.824,13.85 38.824,18.625 39.549,19.35 50.425,19.35 51.85,17.925 51.85,15.215 ; 43.601,27.331 43.612,27.342 43.612,35.129 43.624,35.14 ; 43.85,15.215 v1(43.85,18.275) ; 44.101,7.331 44.101,6.084 43.673,5.656 43.568,5.656 42.699,6.525 42.699,8.11 41.914,8.895 41.914,9.366 38.124,13.156 38.124,18.625 39.176,19.677 50.56,19.677 52.85,17.387 52.85,15.215 ; 44.101,27.331 44.112,27.342 44.112,35.129 44.124,35.14 ; v1(44.251,11.027) 45.85,12.626 45.85,15.215 ; 44.35,15.215 44.409,15.274 44.409,17.016 v1(44.467,17.075) ; 44.5,65.578 44.556,65.578 45.705,66.727 46.28,66.727 46.642,67.089 46.642,67.601 45.473,68.769 43.166,68.769 42.254,67.857 40.207,67.857 38.759,69.305 38.759,72.352 40.207,73.8 44.213,73.8 44.222,73.791 44.434,73.791 v1(44.524,73.7) ; 44.601,7.331 44.601,8.923 39.151,14.373 39.151,18.302 39.825,18.976 49.606,18.976 49.85,18.732 49.85,15.215 ; 44.601,27.331 44.612,27.342 44.612,35.129 44.624,35.14 ; v1(44.763,12.725) 45.35,13.311 45.35,15.215 ; 45,63.775 44.944,63.775 44.169,64.55 44.122,64.55 43.506,65.166 43.506,66.512 v1(45,68.007) ; 45.101,7.331 45.101,10.168 v1(46.35,11.417) ; 45.101,27.331 45.112,27.342 45.112,35.129 45.124,35.14 ; v1(45.474,73.146) 45.174,72.846 42.745,72.846 42.119,73.473 40.342,73.473 39.086,72.217 39.086,69.44 40.342,68.184 42.119,68.184 43.031,69.096 45.609,69.096 46.969,67.736 46.969,66.954 46.415,66.4 46.322,66.4 45.5,65.578 ; v1(45.601,4.529) 45.601,7.331 ; 45.601,27.331 45.612,27.342 45.612,35.129 45.624,35.14 ; v1(45.85,17.775) 46.173,17.452 46.173,16.442 46.263,16.352 46.263,15.301 46.35,15.215 ; 46,63.775 44.898,64.877 44.257,64.877 43.833,65.302 43.833,65.855 45.323,67.345 v1(46.024,67.345) ; v1(46.051,9.899) 46.05,7.382 46.101,7.331 ; 46.101,27.331 46.112,27.342 46.112,35.129 46.124,35.14 ; v1(46.457,72.519) 42.61,72.519 41.983,73.146 40.477,73.146 39.413,72.081 39.413,69.576 40.477,68.511 41.983,68.511 42.895,69.423 45.744,69.423 47.296,67.872 47.296,66.374 46.5,65.578 ; 46.601,7.331 46.601,4.879 v1(46.951,4.529) ; 46.601,27.331 46.612,27.342 46.612,35.129 46.624,35.14 ; 46.85,15.215 46.85,16.228 46.5,16.578 46.5,17.407 46.574,17.481 46.713,17.481 v1(47.2,17.967) ; v1(47.099,12.725) 47.101,12.723 47.101,7.331 ; 47.101,27.331 47.112,27.342 47.112,35.129 47.124,35.14 ; v1(47.2,16.751) 47.263,16.688 47.263,15.301 47.35,15.215 ; 47.5,65.578 47.5,66.116 47.623,66.238 47.623,68.007 45.88,69.75 44.671,69.75 44.642,69.779 43.768,69.779 43.407,70.141 43.407,70.956 44.268,71.817 46.907,71.817 47.524,71.2 ; 47.601,7.331 47.601,9.439 47.774,9.612 47.774,9.725 47.85,9.801 47.85,15.215 ; 47.601,27.331 47.612,27.342 47.612,35.129 47.624,35.14 ; 48.101,7.331 48.101,9.589 48.35,9.838 48.35,15.215 ; 48.101,27.331 48.112,27.342 48.112,35.129 48.124,35.14 ; 48.5,65.578 48.538,65.617 48.538,66.114 49.173,66.749 49.173,68.895 50.057,69.779 53.28,69.779 53.642,70.141 53.642,70.956 52.78,71.817 49.13,71.817 48.524,71.212 48.524,71.2 ; v1(48.601,5.08) 48.87,4.811 50.207,4.811 50.601,5.205 50.601,7.331 ; 48.601,7.331 48.601,9.627 48.774,9.8 48.774,12.404 48.967,12.597 v1(48.967,12.725) ; 48.601,27.331 48.612,27.342 48.612,35.129 48.624,35.14 ; 48.85,15.215 v1(48.85,16.495) ; 49.101,7.331 49.101,11.027 49.5,11.426 49.5,12.384 49.585,12.469 49.585,13.5 49.436,13.648 49.436,14.604 49.436,15.128 49.35,15.215 ; 49.101,27.331 49.112,27.342 49.112,35.129 49.124,35.14 ; 49.5,65.578 49.5,68.759 50.193,69.452 54.036,69.452 54.977,68.511 56.483,68.511 57.548,69.576 57.548,72.081 56.483,73.146 54.977,73.146 54.351,72.519 v1(49.524,72.519) ; 49.601,7.331 49.601,11.065 49.827,11.291 49.827,12.249 49.912,12.334 49.912,12.386 v1(50.251,12.725) ; 49.601,27.331 49.612,27.342 49.612,35.129 49.624,35.14 ; v1(49.951,5.428) 50.118,5.595 50.118,7.314 50.101,7.331 ; 50.101,27.331 50.112,27.342 50.112,35.129 50.124,35.14 ; 50.35,15.215 50.409,15.274 50.409,18.056 v1(50.467,18.115) ; v1(50.493,73.146) 54.515,73.146 54.842,73.473 56.619,73.473 57.875,72.217 57.875,69.44 56.619,68.184 54.842,68.184 53.901,69.125 50.328,69.125 50,68.797 50,68.675 49.897,68.572 49.897,66.182 50.5,65.578 ; 50.601,27.331 50.612,27.342 50.612,35.129 50.624,35.14 ; v1(50.841,68.181) 53.168,65.855 53.168,65.302 52.777,64.911 50.988,64.911 50.914,64.837 50.914,63.862 51,63.775 ; 50.85,15.215 50.85,16.524 51.085,16.759 v1(51.085,16.887) ; v1(50.874,10.553) 52.35,12.029 52.35,15.215 ; v1(50.874,11.875) 51.263,12.265 51.263,15.128 51.35,15.215 ; v1(50.905,67.2) 50.905,67.174 52.5,65.578 ; 51.101,7.331 51.15,7.282 51.15,4.974 v1(51.199,4.925) ; 51.101,27.331 51.112,27.342 51.112,35.129 51.124,35.14 ; 51.5,65.578 50.5,66.578 50.224,66.855 50.224,68.436 50.585,68.798 53.765,68.798 54.707,67.857 56.754,67.857 58.202,69.305 58.202,72.352 56.754,73.8 v1@51.505,73.8 ; 51.601,7.331 51.601,9.858 v1(55.7,13.956) ; 51.601,27.331 51.612,27.342 51.612,35.129 51.624,35.14 ; 52,63.775 52.809,64.584 52.912,64.584 53.495,65.166 53.495,66.781 52.005,68.271 v1@52.005,68.175 ; 52.101,7.331 52.137,7.367 52.137,9.305 v1(54.249,11.417) ; 52.101,27.331 52.112,27.342 52.112,35.129 52.124,35.14 ; 52.601,7.331 52.601,8.497 54.57,10.466 56.899,12.795 56.899,18.725 55.974,19.65 52.877,19.65 v2(52.85,19.677) ; 52.601,27.331 52.612,27.342 52.612,35.129 52.624,35.14 ; 53,63.775 53.822,64.597 53.822,67.327 53.024,68.125 53.03,68.13 v1@53.03,68.175 ; v1(76.306,5.932) 76.699,6.326 76.699,14.108 77.04,14.45 76.949,14.542 76.949,16.151 77.023,16.225 82.75,16.225 83.255,15.72 83.255,13.181 81.691,11.618 81.691,7.295 82.024,6.962 82.896,6.962 83.309,6.55 83.309,5.15 ; 78.709,5.15 78.709,6.55 ; 79.009,7.78 78.71,7.78 78.287,7.358 78.287,7.089 77.759,6.561 77.759,6.55 77.759,5.15 77.759,5.139 78.252,4.646 78.252,4.342 78.674,3.92 79.009,3.92 83.009,3.92 83.308,3.92 83.731,4.342 83.731,4.61 84.259,5.139 84.259,5.15 84.259,6.55 84.259,6.561 83.73,7.089 83.73,7.358 83.308,7.78 83.009,7.78 83.009,10.05 84.66,11.702 84.66,14.45 ; 80.549,6.509 81.125,5.932 81.166,5.932 81.469,5.63 81.469,5.15 ; 80.549,6.55 80.549,6.558 80.851,6.861 80.851,13.181 82.12,14.45